# Altium PCB cheriot-test.PcbDoc (part 7 of 12)
Units mil, origin at the board's own origin, x right, y up, seen from the top; angles counter-clockwise.
Board outline 6629.92 x 3149.61 mil, 8 copper layers (Top Layer, Int1 (Sign), Int2 (GND), Int3 (Sign), Int4 (Sign), Int5 (PWR), Int6 (Sign), Bottom Layer), stack 60.424 mil thick; 496 components, 639 nets, 2898 pads, 1737 vias.
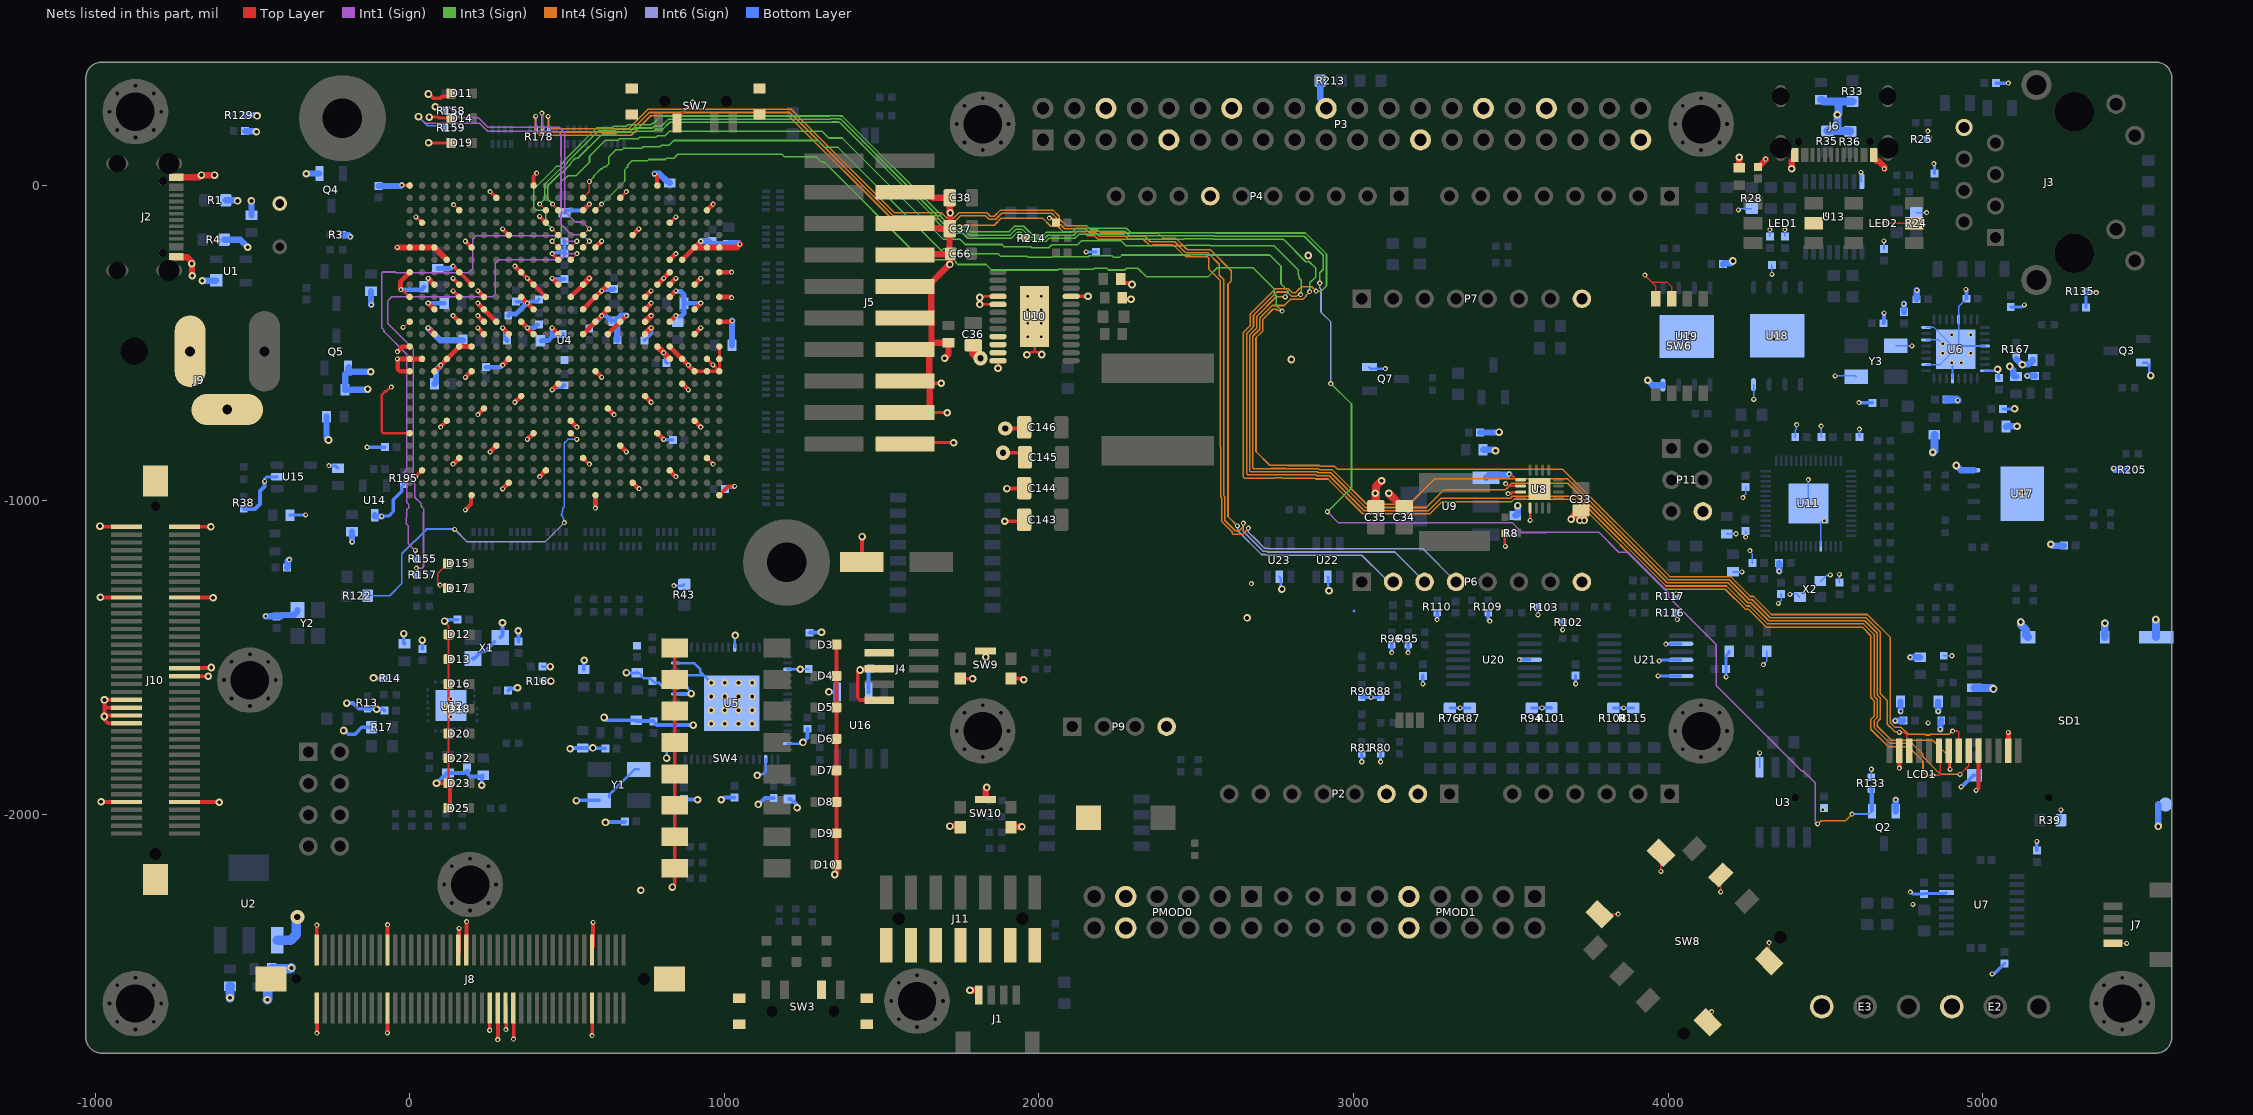
[diagram p13: the nets of this part, all layers, seen from the top]

## Via types
v1: diameter 16, hole 8, Top Layer to Bottom Layer, tented both sides, 1442 vias
v2: diameter 24, hole 12, Top Layer to Bottom Layer, tented both sides, 257 vias
v3: diameter 23.62, hole 11.81, Top Layer to Bottom Layer, tented both sides, 16 vias
v4: diameter 45, hole 20, Top Layer to Bottom Layer, 14 vias
v5: diameter 19.68, hole 8, Top Layer to Bottom Layer, 8 vias

## Nets (pads, with @x,y where several pads share a name; then routed paths per layer and width w, separated by ;. In a path a pad name is that pad's centre, name@x,y a point inside that pad or via, vN(x,y) a via of type N, cw(c..) or ccw(c..) an arc to the next point about the centre after c; other vN are vias at no path point) (continued)
GND: C1.2 C2.2 C3.2 C5.2 C6.2 C7.2 C8.2 C9.2 C10.2 C11.2 C12.2 C13.2 C14.2 C15.2 C16.2 C17.2 C18.2 C19.2 C20.2 C21.2 C22.2 C23.2 C24.2 C25.2 C26.2 C27.2 C28.2 C29.2 C30.2 C31.2 C32.2 C33.2 C34.2 C35.2 C36.2 C37.2 C38.2 C39.2 C40.2 C41.2 C42.2 C43.2 C44.2 C45.2 C46.2 C47.2 C48.2 C50.2 C51.2 C52.2 C53.2 C54.2 C55.2 C56.2 C57.2 C58.2 C59.2 C62.2 C63.1 C64.1 C65.2 C66.2 C68.2 C69.2 C70.2 C71.2 C72.2 C73.2 C74.2 C75.2 C76.2 C77.2 C78.2 C79.2 C80.2 C81.2 C82.2 C83.2 C84.2 C85.2 C86.2 C87.2 C88.2 C89.2 C90.2 C91.2 C92.2 C93.2 C94.2 C95.2 C96.2 C97.2 C99.2 C100.2 C101.2 C102.2 C108.2 C109.2 C110.2 C111.2 C112.2 C113.2 C114.2 C115.2 C116.2 C117.2 C118.2 C119.1 C120.2 C121.2 C122.2 C123.2 C124.2 C125.2 C126.2 C127.2 C128.2 C129.2 C130.2 C131.2 C132.2 C133.2 C134.2 C135.2 C136.2 C137.2 C138.2 C139.2 C141.2 C142.1 C143.2 C144.2 C145.2 C146.2 C147.2 C148.2 C150.2 C151.2 C152.2 C153.2 C154.2 C155.2 C156.2 C157.2 C158.2 C159.2 C160.2 C161.2 D3.K D4.K D5.K D6.K D7.K D8.K D9.K D10.K D11.K D12.K D13.K D14.K D15.K D16.K D17.K D18.K D19.K D20.K D22.K D23.K D25.K E2.A1 E3.A1 J1.1 J2.A1-B12 J2.B1-A12 J3.8 J4.3 J4.5 J4.9 J5.4 J5.6 J5.8 J5.10 J5.12 J5.14 J5.16 J5.18 J5.20 J6.A1-B12 J6.B1-A12 J7.1 J8.9 J8.10 J8.30 J8.32 J8.34 J8.36 J8.41 J8.43 J8.61 J8.62 J8.79 J8.80 J8.MP1 J8.MP2 J9.2 J9.3 J10.9 J10.10 J10.30 J10.32 J10.34 J10.36 J10.41 J10.43 J10.61 J10.62 J10.79 J10.80 J10.MP1 J10.MP2 J11.1 J11.3 J11.5 J11.7 J11.9 J11.11 J11.13 LCD1.2 LCD1.5 LCD1.13 LED1.5 LED2.5 P2.2 P2.3 P3.6 P3.9 P3.14 P3.20 P3.25 P3.30 P3.34 P3.39 P4.7 P6.8 P7.8 P9.4 P11.6 PMOD0.5 PMOD0.11 PMOD1.5 PMOD1.11 Q2.2 Q3.2 Q4.1 Q5.1 Q7.2 R1.2 R3.2 R4.2 R8.2 R13.2 R14.2 R16.2 R17.1 R24.2 R25.2 R28.2 R33.2 R35.1 R36.1 R38.2 R39.2 R43.2 R76.1 R80.2 R81.1 R87.1 R88.2 R90.1 R94.1 R95.2 R96.1 R101.1 R102.2 R103.1 R108.1 R109.2 R110.1 R115.1 R116.2 R117.1 R129.2 R133.2 R135.2 R167.1 R195.1 R205.2 R213.1 R214.2 SD1.6 SD1.10 SD1.11 SD1.12 SD1.13 SD1.14 SW3.3 SW3.5 SW3.6 SW3.7 SW3.8 SW4.1 SW4.2 SW4.3 SW4.4 SW4.5 SW4.6 SW4.7 SW4.8 SW5.1 SW6.7 SW6.8 SW7.3 SW7.5 SW7.6 SW7.7 SW7.8 SW8.5 SW8.MP1 SW8.MP2 SW8.MP3 SW8.MP4 SW9.3 SW9.4 SW9.5 SW10.3 SW10.4 SW10.5 U1.1 U2.1 U3.5 U4.A6 U4.A8 U4.A10 U4.A12 U4.A14 U4.A15 U4.A16 U4.A26 U4.AA6 U4.AA9 U4.AA14 U4.AA16 U4.AA26 U4.AB3 U4.AB8 U4.AB9 U4.AB10 U4.AB12 U4.AB14 U4.AB23 U4.AC7 U4.AC15 U4.AC20 U4.AD6 U4.AD9 U4.AD11 U4.AD13 U4.AD16 U4.AE4 U4.AE6 U4.AE15 U4.AE24 U4.AF1 U4.AF6 U4.AF8 U4.AF10 U4.AF12 U4.AF14 U4.AF15 U4.AF16 U4.AF21 U4.B3 U4.B6 U4.B15 U4.B16 U4.B23 U4.C6 U4.C9 U4.C11 U4.C13 U4.C16 U4.C20 U4.D7 U4.D15 U4.D17 U4.E4 U4.E7 U4.E8 U4.E9 U4.E10 U4.E12 U4.E14 U4.E15 U4.E24 U4.F1 U4.F9 U4.F14 U4.F21 U4.G10 U4.G11 U4.G12 U4.G13 U4.G18 U4.H5 U4.H25 U4.J2 U4.J12 U4.J22 U4.K9 U4.K11 U4.K13 U4.K19 U4.L6 U4.L10 U4.L12 U4.L16 U4.L26 U4.M3 U4.M9 U4.M11 U4.M13 U4.M23 U4.N10 U4.N20 U4.P7 U4.P9 U4.P13 U4.P17 U4.R4 U4.R10 U4.R24 U4.T1 U4.T9 U4.T11 U4.T13 U4.T21 U4.U8 U4.U10 U4.U12 U4.U18 U4.V5 U4.V13 U4.V15 U4.V25 U4.W2 U4.W12 U4.W22 U4.Y10 U4.Y11 U4.Y12 U4.Y13 U4.Y19 U5.1 U5.5 U5.10 U5.11 U5.13 U5.15 U5.25 U5.35 U5.47 U5.51 U5.65 U6.4 U6.8 U6.13 U6.18 U6.22 U6.24 U6.29 U6.33 U7.14 U8.1 U8.2 U8.3 U8.5 U8.17 U9.1 U10.4 U10.5 U10.9 U10.10 U10.11 U10.12 U10.21 U10.25 U11.19 U11.57 U12.25 U13.8 U14.3 U15.2 U16.5 U16.7 U17.4 U17.9 U18.4 U18.9 U19.4 U19.9 U20.11 U21.9 U21.11 U21.13 U22.2 U23.2 X1.2 X1.4 X2.2 X2.4 Y1.2 Y1.4 Y2.2 Y3.2 Y3.4 | length 25341.3
  Top Layer w5: v1(-21.12,-450.96) -19.5,-450.96 -4.07,-435.53 -4.07,-433.07 U4.AF12@0,-433.07 ; 88.74,-1270 88.74,-1233.82 D15.K@121.46,-1201.1 ; v1(97,-1270) 97.27,-1270.27 110.27,-1270.27 D17.K@121,-1281 ; v2@114,-1388 114,-1390.06 123.35,-1399.41 D12.K@123.35,-1424 ; D23.K@123,-1899 123.35,-1898.65 D22.K@123.35,-1820.59 D20.K@123.35,-1741.85 D18.K@123.35,-1663.11 D16.K@123.35,-1584.37 D13.K@123.35,-1505.63 D12.K@123.35,-1426.89 123.35,-1425.65 D12.K@125,-1424 ; SW8.MP1@3782.17,-2316.11 3834.15,-2316.11 v1(3841.11,-2316.11) ; v1(3925.98,-284.92) 3948.05,-306.99 ; SW6.8@3960.98,-359.92 3960.98,-319.92 3948.05,-306.99 ; v1(3977.05,-2180.18) 3977.05,-2173.21 SW8.MP2@3977.05,-2121.24 ; SW6.7@4010.98,-359.92 4010.98,-321.3 3996.67,-306.99 3948.05,-306.99 ; SW8.MP4@4125.98,-2659.92 4125.98,-2637.55 v1(4138.11,-2625.43) ; v1(4167.05,-2244.9) 4167.05,-2237.94 SW8.5@4167.05,-2191.53 ; SW8.MP3@4320.86,-2465.05 v1(4320.86,-2406.12) ; LED1.5@4462.44,-119.92 4472.28,-119.92 4497.18,-95.03 4502.88,-95.03 v1(4504.98,-92.92) ; v1(4689.92,-119.92) LED2.5@4782.44,-119.92 ; LCD1.2@5078.03,-1790.31 LCD1.2@5081.48,-1786.86 ; J7.1@5413.43,-2408.74 v1(5456.94,-2408.74)
  Top Layer w8: v1(-58,-641) -60.16,-641 -73.01,-653.84 -76.84,-653.84 -88,-665 -88,-782.72 -83.31,-787.4 U4.AF21@0,-787.4 ; v1@-30,-335 -19.33,-335 U4.AF10@0,-354.33 ; v1(140,-61) 140,-61.26 U4.AB3@157.48,-78.74 ; SW7.3@849.92,198.66 849.92,214.41 899,263.49 v1(899,265) ; v2(1812,-356) 1815.06,-352.94 1825.11,-352.94 1825.69,-352.36 U10.4@1870.08,-352.36 ; v2(1812,-378) U10.5@1870.06,-377.98 ; v2(1870,-581) 1870,-557.17 U10.12@1870.08,-557.09 ; v2(1962,-538) 1966.33,-538 1975.05,-529.28 1982.52,-529.28 1986.22,-525.58 1986.22,-524.22 ; U10.25@1986.22,-416.34 1986.22,-524.22 ; v2(2009.21,-537.21) 2004.88,-537.21 1997.55,-529.88 1991.88,-529.88 1986.22,-524.22 ; R8.2@3481.3,-1104.92 3481.3,-1145.95 v1(3482.68,-1147.32) ; v1(3483.04,-947.24) 3485.21,-947.24 3493.04,-955.08 U8.2@3530.94,-955.08 ; v1(3491.49,-979.08) 3501.08,-979.08 3505.05,-975.12 3530.59,-975.12 U8.3@3530.94,-974.76 ; v1(3494.49,-917.08) 3496.02,-918.61 3501.37,-918.61 3518.15,-935.39 U8.1@3530.94,-935.39 ; v1(3561.42,-1064.65) v1(3561.42,-1064.65) U8.5@3561.46,-1024.96
  Top Layer w10: v1(-25.08,1) -24.58,0.5 -0.5,0.5 U4.AF1@0,0 ; v1(20,-100) 21.26,-100 U4.AE4@39.37,-118.11 ; v2(60,136) 60.4,135.6 131.69,135.6 D19.K@132.09,135.2 ; v2(62,217.5) 90.47,217.5 94,213.97 D14.K@132.06,213.97 ; U4.J2@669.29,-39.37 v1(688.98,-19.69) ; U4.E4@826.77,-118.11 827.89,-118.11 v1(846,-100) ; U4.C16@911,-593 913.45,-590.55 U4.B16@944.88,-590.55 U4.A16@983,-590.55 ; U4.B23@944.88,-866.14 v1(964.57,-885.83) ; U4.B15@944.88,-551.18 963.7,-570 v1(964,-570) 964,-570.15 981.85,-588 U4.A16@983,-588 ; U4.A16@984.25,-585.75 U4.A15@984.25,-551.18 U4.A14@984.25,-511.81 ; J5.20@1574.8,-821.26 1578.71,-817.36 v2(1728.64,-817.36) ; J5.18@1574.8,-721.26 1639.38,-721.26 1708.26,-721.26 v2(1709,-722) ; J5.16@1574.8,-621.26 1582.16,-628.62 1653,-628.62 v2(1689.58,-628.62) ; v1(1937,-165) 1955.63,-165 R214.2@1957.76,-167.13 ; v1(2033.49,-103.51) 2034.64,-104.66 2041.55,-104.66 C148.2@2054.02,-117.13
  Top Layer w12: v2(-984.25,-1082.68) -982.32,-1084.61 J10.80@-900.39,-1084.61 ; v2@-982.65,-1309.35 J10.62@-892.65,-1309.35 ; v2@-980.65,-1959.35 J10.10@-890.65,-1959.35 ; v2@-975,-1640 v2@-970,-1645 ; v2@-970,-1677.46 v2@-970,-1645 ; v2(-970,-1635) v2@-970,-1645 ; v2@-969.65,-1634.65 J10.36@-900.39,-1634.65 ; J10.30@-901.09,-1708.95 -959.24,-1708.95 -970.58,-1697.6 v2(-970.58,-1687.81) -968.28,-1685.51 -965.04,-1685.51 -964.28,-1684.76 -900.5,-1684.76 J10.32@-900.39,-1684.65 ; J10.34@-900.39,-1659.65 -962.62,-1659.65 -969.65,-1652.62 -969.65,-1645.35 v2@-970,-1645 ; J10.9@-715.35,-1959.65 -715,-1960 -714.82,-1959.82 -605.18,-1959.82 v2(-605,-1960) ; J10.41@-715.35,-1559.65 -640.35,-1559.65 v2(-640,-1560) ; J10.43@-715.35,-1534.65 -714.46,-1533.76 -632.76,-1533.76 v2(-631,-1532) ; J10.61@-715.35,-1309.65 -625.35,-1309.65 v2(-625,-1310) ; J10.79@-715.35,-1084.61 v2(-631.85,-1084.61) ; J8.79@-295.65,-2428.35 v1@-295.65,-2351.65 ; v1@-294.35,-2693.35 J8.80@-294.35,-2616.65 ; J8.61@-70.65,-2426.35 v1@-70.65,-2349.65 ; v1@-70.35,-2692.35 J8.62@-70.35,-2615.65 ; v1(18.06,-926) 18.47,-926 36.84,-907.63 39.37,-907.63 U4.AE24@39.37,-905.51 ; v2(59.49,290.83) 62.74,290.83 76.56,277 96.53,277 102.46,282.93 122.34,282.93 D11.K@132.09,292.68 ; v2(85.32,-1900) 85.65,-1899.67 D23.K@117.67,-1899.67 ; v1(98.43,-767.72) U4.AC20@118.11,-748.03 ; D25.K@122.54,-1979 124.28,-1980.75 D25.K@124.28,-1990.06 ; D25.K@128,-1979 D23.K@128,-1914 ; v1(137.8,-334.65) U4.AB10@157.48,-354.33 ; v1(137.8,-295.28) U4.AB9@157.48,-314.96 ; v1(137.8,-255.91) U4.AB8@157.48,-275.59 ; J8.43@156.35,-2438.35 v1@156.35,-2361.65 ; U4.AB8@158.69,-277 158.89,-277 U4.AA9@196.85,-314.96 ; v1(177,-1031) 195.31,-1012.69 195.31,-985.79 U4.AA26@196.85,-984.25 ; v1(177.17,-177.17) U4.AA6@196.85,-196.85 ; J8.41@180.35,-2417.35 v1@180.35,-2340.65 ; v1@216.54,-728.35 v1(216.88,-728) ; v1@217,-728 v1(216.88,-728) ; U4.Y19@236.22,-708.66 v1(216.88,-728) ; v1@254.65,-2684.35 J8.36@254.65,-2607.65 ; v1(255.91,-19.69) U4.W2@275.59,-39.37 ; v1@280.65,-2714.35 J8.34@280.65,-2637.65 ; v1(295.28,-137.8) U4.V5@314.96,-157.48 ; v1@306.65,-2682.35 J8.32@306.65,-2605.65 ; v1@330.65,-2712.35 J8.30@330.65,-2635.65 ; U4.U8@354.33,-275.59 v1(374.02,-295.28) U4.T9@393.7,-314.96 U4.R10@433.07,-354.33 ; U4.T1@393.7,0 393.7,29.53 v1(403.54,39.37) ; v1(413.39,-98.43) U4.R4@433.07,-118.11 ; v1(452.5,-216.54) 452.63,-216.54 472.31,-236.22 U4.P7@472.44,-236.22 ; U4.M23@551.18,-866.14 v1(570.87,-885.83) ; v1@580.65,-2701.35 J8.10@580.65,-2624.65 ; J8.9@582.35,-2419.35 v1@582.35,-2342.65 ; v1(778.17,37.24) 778.17,36.15 785.9,28.43 785.9,1.51 U4.F1@787.4,0 ; v2(835,-2230) 842.4,-2222.6 SW4.8@842.4,-2170 SW4.7@842.4,-2070 SW4.6@842.4,-1970 SW4.5@842.4,-1870 SW4.4@842.4,-1770 SW4.3@842.4,-1670 SW4.2@842.4,-1570 SW4.1@842.4,-1470 ; U4.A26@984.25,-984.25 1011.61,-956.9 1032.08,-956.9 v1(1032.84,-956.13) ; D3.K@1356.34,-1458.94 D4.K@1356.34,-1558.94 D5.K@1356.34,-1658.94 D6.K@1356.34,-1758.94 D7.K@1356.34,-1858.94 D8.K@1356.34,-1958.94 D9.K@1356.34,-2058.94 D10.K@1356.34,-2158.94 1356.34,-2176.34 1360,-2180 ; C68.2@1436.89,-1197.13 1438,-1196.02 v2(1438,-1116) ; J4.9@1492.13,-1635.43 1431.03,-1635.43 1424,-1628.4 1424,-1545.99 1429.99,-1540 v2(1431.62,-1540) 1433.9,-1537.72 1489.84,-1537.72 J4.5@1492.13,-1535.43 ; SW9.3@1750,-1566.93 1751.07,-1568 v2(1789,-1568) ; SW9.5@1830.71,-1479.33 1831,-1479.62 v2(1831,-1499) ; v4(1885.57,-849.57) 1941.15,-849.57 C145.2@1955.55,-863.98 ; v2(1891.13,-1067.13) 1948.07,-1067.13 C143.2@1953.07,-1062.13 ; v4(1893,-772.5) 1949.35,-772.5 C146.2@1953.07,-768.78 ; v2(1898.41,-963.41) 1951.79,-963.41 C144.2@1953.07,-962.13 ; SW9.4@1911.42,-1566.93 1947.93,-1566.93 v2(1952,-1571) ; U10.21@2102.36,-352.36 2102.54,-352.18 2155.82,-352.18 v2(2156,-352) ; C150.2@2259.69,-297.13 2259.69,-301.06 2268.45,-309.83 2287.72,-309.83 2292.56,-314.67 v2(2295.81,-314.67) ; C151.2@2264.69,-357.13 2269.02,-361.46 v2(2292.65,-361.46) ; v1(4978.74,-1922.91) 4986.62,-1915.04 LCD1.5@4986.62,-1796.93
  Top Layer w15: v1(-39.37,-528) -24.3,-512.93 -1.12,-512.93 U4.AF14@0,-511.81 ; v1@-29,-329 -29,-304.59 U4.AF8@0,-275.59 ; U4.AF16@0,-590.55 -30.58,-590.55 -37.65,-583.49 -37.65,-552.9 v1(-39.37,-551.18) U4.AF15@0,-551.18 U4.AE15@39.37,-551.18 ; v1(59.06,-452.76) U4.AD13@78.74,-472.44 ; v1(59.06,-374.02) U4.AD11@78.74,-393.7 ; v1(59.06,-295.28) U4.AD9@78.74,-314.96 ; U4.AD16@78.74,-590.55 v1(98.43,-570.87) U4.AB14@157.48,-511.81 U4.AA14@196.85,-511.81 ; v1(137.8,-885.83) U4.AB23@157.48,-866.14 ; v1(137.8,-413.39) U4.AB12@157.48,-433.07 ; v1(177.17,-610.24) U4.AA16@196.85,-590.55 ; v1(216.54,-452.76) U4.Y13@236.22,-472.44 ; v1(216.54,-413.39) U4.Y12@236.22,-433.07 ; v1(216.54,-374.02) U4.Y11@236.22,-393.7 U4.W12@275.59,-433.07 ; v1(216.54,-334.65) U4.Y10@236.22,-354.33 ; v1(255.91,-846.46) U4.W22@275.59,-826.77 ; v1(295.28,-964.57) U4.V25@314.96,-944.88 ; v1(295.28,-570.87) U4.V15@314.96,-551.18 ; v1(295.28,-452.76) U4.V13@314.96,-472.44 ; v1(334.65,-688.98) U4.U18@354.33,-669.29 ; v1(334.65,-255.91) U4.U8@354.33,-275.59 ; U4.U12@354.33,-433.07 v1(374.02,-452.76) U4.T13@393.7,-472.44 ; U4.U10@354.33,-354.33 v1(374.02,-374.02) U4.T11@393.7,-393.7 ; v1(374.02,-807.09) U4.T21@393.7,-787.4 ; v1(413.39,-925.2) U4.R24@433.07,-905.51 ; v1(452.5,-452.76) 452.63,-452.76 472.31,-472.44 U4.P13@472.44,-472.44 ; v1(452.5,-295.28) 452.63,-295.28 472.31,-314.96 U4.P9@472.44,-314.96 ; v1(452.76,-649.61) U4.P17@472.44,-629.92 ; U4.N20@511.81,-748.03 v1(531.5,-767.72) 531,-768.21 v1@531,-769 ; U4.N10@511.81,-354.33 U4.M9@551.18,-314.96 ; U4.M13@551.18,-472.44 U4.L12@590.55,-433.07 v1(610.24,-413.39) U4.K11@629.92,-393.7 ; U4.M11@551.18,-393.7 U4.L10@590.55,-354.33 v1(610.24,-334.65) U4.K9@629.92,-314.96 ; U4.M3@551.18,-78.74 v1(570.87,-59.06) ; v1(590.39,-1025.54) 590.47,-1025.46 590.47,-984.33 U4.L26@590.55,-984.25 ; U4.L16@590.55,-590.55 v1(610.24,-610.24) ; U4.L6@590.55,-196.85 v1(610.24,-177.17) ; U4.K19@629.92,-708.66 v1(649.61,-728.35) ; U4.K13@629.92,-472.44 v1(688.98,-413.39) ; U4.J22@669.29,-826.77 v1(688.98,-846.46) ; U4.H25@708.66,-944.88 726.69,-962.91 728.88,-962.91 v1(729.07,-963.1) ; U4.H5@708.66,-157.48 v1(728.35,-137.8) ; U4.G18@748.03,-669.29 v1(767.72,-688.98) ; U4.G11@748.03,-393.7 v1(767.72,-374.02) ; U4.G10@748.03,-354.33 v1(767.72,-334.65) ; U4.F21@787.4,-787.4 v1(807.09,-807.09) ; U4.F9@787.4,-314.96 v1(807.09,-295.28) U4.E8@826.77,-275.59 ; U4.E24@826.77,-905.51 v1(846.46,-925.2) ; U4.E14@826.77,-511.81 v1(885.83,-570.87) U4.C16@905.51,-590.55 ; U4.E12@826.77,-433.07 v1(846.46,-413.39) ; U4.E10@826.77,-354.33 v1(846.46,-334.65) ; U4.E9@826.77,-314.96 v1(846.46,-295.28) ; U4.E7@826.77,-236.22 v1(846.46,-216.54) ; U4.D17@866.14,-629.92 v1(885.83,-649.61) ; U4.D7@866.14,-236.22 U4.C6@905.51,-196.85 ; U4.C20@905.51,-748.03 v1(925.2,-767.72) ; U4.C13@905.51,-472.44 v1(925.2,-452.76) ; U4.C11@905.51,-393.7 v1(925.2,-374.02) ; U4.C9@905.51,-314.96 v1(925.2,-295.28) ; U4.C6@908.18,-194.18 v1(925.2,-177.17) ; U4.B3@944.88,-78.74 v1(964.57,-59.06) ; U4.A12@984.25,-433.07 1021.66,-433.07 1024.73,-430 v1(1025,-430) ; U4.A10@984.25,-354.33 1021.12,-354.33 1023.35,-356.57 v1(1023.62,-356.57) ; U4.A8@984.25,-275.59 v1(1023.62,-275.59) ; v1(4734.65,-1852.05) LCD1.13@4734.65,-1793.38 ; LCD1.2@5081.48,-1786.86 v1(5081.48,-1737.94)
  Top Layer w20: J2.B1-A12@-742.13,-226.06 -740.32,-227.87 -707.05,-227.87 -692.92,-242 v2(-692.92,-248.08) -692.16,-248.84 -692.16,-285.84 v2(-691,-287) ; J2.A1-B12@-742.13,25.91 -669.09,25.91 v2(-662,33) v2(-620,33) ; v1(-39.37,-196.85) U4.AF6@0,-196.85 U4.AE6@39.37,-196.85 U4.AD6@78.74,-196.85 U4.AC7@118.11,-236.22 ; U4.M9@551.18,-314.96 v1(570.87,-295.28) ; U4.G13@748.03,-472.44 v1(767.72,-452.76) ; U4.G12@748.03,-433.07 v1(767.72,-413.39) ; U4.F14@787.4,-511.81 v1(807.09,-531.5) U4.E15@826.77,-551.18 ; U4.C6@911,-197 984.1,-197 U4.A6@984.25,-196.85 1039.15,-196.85 v1(1049,-187) ; J5.16@1574.8,-621.26 1637.55,-621.26 J5.16@1645.4,-613.4 ; J5.12@1574.8,-421.26 1644.38,-421.26 1658,-407.64 J5.10@1658,-336 ; J5.10@1574.8,-321.26 1644.69,-321.26 1714.18,-251.77 1715.23,-251.77 1717,-250 C66.2@1717,-218.04 ; J5.6@1608,-130 1612.88,-134.88 1679.88,-134.88 1683,-138 C37.2@1716.33,-138 ; J5.8@1620,-222 1623.1,-218.9 C66.2@1716,-218.9 ; J5.4@1623,-24 1647.43,-24 1662.8,-39.37 C38.2@1716.54,-39.37 1716.54,-85.54 v2(1718,-87) 1717.27,-87.73 C37.2@1717.27,-137.73 ; J5.18@1639.38,-721.26 1653,-707.64 1653,-628.62 J5.16@1653,-621 ; J5.16@1651.17,-607.64 1651.17,-532.83 J5.14@1656,-528 ; J5.14@1658.31,-502 1658.31,-436.69 J5.12@1660,-435 ; J5.14@1663,-502 1665,-500 C147.2@1712.6,-500 1712.6,-536.4 v2(1700,-549) ; C66.2@1716,-227 C66.2@1716,-218.9 ; C37.2@1716.54,-137.8 C37.2@1716.33,-138 ; v2(1717,-2036) 1746.63,-2036 SW10.3@1750,-2039.37 ; C66.2@1718.5,-216.54 C66.2@1717,-218.04 ; v2(1781,-2558) 1807.64,-2558 1809.45,-2559.81 J1.1@1809.45,-2572.52 ; SW10.5@1830.71,-1951.77 1830.71,-1916.29 v2(1834,-1913) ; SW10.4@1911.42,-2039.37 1912.79,-2038 v2(1946,-2038) ; v2(3691.34,-1060.71) 3691.34,-1056.77 3714.96,-1033.15 C33.2@3722.83,-1033.15 ; v2(3718.9,-1064.65) 3718.9,-1037.09 C33.2@3722.83,-1033.15 ; v2(3733.5,-1064.65) 3733.34,-1064.48 3733.34,-1042.83 3740.39,-1042.83 3730.71,-1033.15 C33.2@3722.83,-1033.15 ; C50.2@4225.98,56.28 v2(4225.98,89.68) ; C51.2@4285.98,58.19 4310,82.2 v1(4310,83.79) ; v2(4392.13,53.46) 4392.89,54.23 4392.89,76.87 4400.16,84.13 4400.16,94.96 J6.B1-A12@4401.97,96.77 ; J6.A1-B12@4653.94,96.77 4653.94,85.94 4662.23,77.65 4669.08,77.65 4687.4,59.33 v1(4687.4,53.46) ; C66.2@1716,-218.9 1716,-138.33 C37.2@1716.33,-138 ; C66.2@1716,-218.9 1716.14,-218.9 C66.2@1717,-218.04
  Top Layer w25: v2(3069.29,-978.03) 3069.29,-1017.8 C35.2@3070.98,-1019.49 3070.98,-956.65 v2(3088.98,-938.66) ; v2(3112.6,-978.03) 3112.6,-978.98 3153.11,-1019.49 C34.2@3160.98,-1019.49
  Top Layer w30: C36.2@1791.34,-507.87 1792,-508.54 1792,-531.43 1792.37,-531.43 1809.94,-549 v4(1814,-549)
  Bottom Layer w5: U12.25@126.42,-1691 U12.25@129.71,-1687.71 ; v1(130,-1688) U12.25@129.71,-1687.71 ; v1(131,-1632) 131.77,-1632.77 U12.25@131.77,-1685.65 ; U12.25@131.98,-1685.44 U12.25@129.71,-1687.71 ; v2@1242,-1536 1243.5,-1537.5 1267.93,-1537.5 C135.2@1268.54,-1536.89 ; U19.9@4058.51,-479.92 4067.08,-479.92 v1(4068.5,-478.5) ; C82.2@4185.98,-1107.48 4186.59,-1106.87 v1(4215.61,-1106.87) ; C81.2@4205.98,-1227.48 4206.93,-1228.42 v1(4234.12,-1228.42) ; v1(4223.49,-77.33) 4226.46,-77.33 4230.41,-73.39 R28.2@4265.98,-73.39 ; v1(4237.35,-992.27) 4237.35,-989.29 4245.98,-980.65 C86.2@4245.98,-958.03 ; v1(4245.98,-1117.66) C89.2@4245.98,-1098.03 ; v1(4259.66,-1160.42) 4259.66,-1163.4 4267.87,-1171.61 4267.87,-1181.29 C87.2@4267.87,-1199.92 ; U18.4@4270.98,-632.66 4271.48,-633.16 4271.48,-679.42 v1(4271.98,-679.92) ; U3.5@4290.58,-1848.7 v1(4290.58,-1803.22) ; v1(4302.63,-1522.63) 4302.63,-1522.53 4313.54,-1511.62 C100.2@4313.54,-1480.02 ; C55.2@4323.12,-161.81 4323.12,-143.18 v1(4323.12,-140.42) ; v1(4329.76,-282.42) 4329.76,-271.71 C83.2@4329.76,-253.08 ; v1(4337.5,-488.5) 4337.5,-486.6 U18.9@4345.98,-478.11 ; v1(4350.46,-1327.98) 4350.46,-1327.55 4359.88,-1318.13 4359.88,-1299.76 C93.2@4358.15,-1298.03 ; C54.2@4371.07,-161.81 4371.07,-143.18 v1(4371.07,-140.42) ; v1(4386.91,-1299.42) 4388.36,-1297.98 4393.88,-1297.98 4408.14,-1297.98 X2.2@4418.62,-1308.46 ; C90.2@4403.83,-799.92 4400.98,-797.07 4404.48,-793.57 4404.48,-777.98 4406.98,-775.48 4406.98,-760.96 v1(4407.96,-759.98) ; v1(4445.81,-934.56) 4445.81,-1010.39 U11.57@4445.98,-1010.56 ; X2.4@4483.58,-1257.28 4486.53,-1257.28 4504.28,-1239.53 4513.17,-1239.53 v1(4515.28,-1237.42) ; U11.19@4485.35,-1146.38 4485.35,-1071.05 4491.48,-1064.92 v1(4495.98,-1064.92) ; v1(4485.98,-764.92) 4485.98,-798.03 C84.2@4487.87,-799.92 ; v1(4491.84,-1983.63) 4491.84,-1982.17 C65.2@4495.98,-1978.03 ; v1(4530.98,-604.92) 4594.89,-604.92 Y3.2@4597.95,-607.99 ; C92.2@4544.04,-1261.81 v1(4544.04,-1236.21) ; R33.2@4585.98,266.61 R33.2@4588.5,264.09 ; C88.2@4608.04,-799.92 4608.04,-781.29 v1(4608.04,-774.32) ; v1(4612.85,41.71) 4614.2,40.35 4614.2,13.64 U13.8@4615.55,12.28 ; R133.2@4645.98,-1880.24 v1(4645.98,-1855.43) ; C53.2@4685.98,-201.81 v1(4685.98,-176.21) ; Y3.4@4723.94,-509.56 4767.37,-509.56 v1(4774.34,-509.56) ; R24.2@4789.05,-86.46 4814.77,-86.46 v1(4821.74,-86.46) ; U6.18@4820.03,-569.13 4864.33,-569.13 U6.33@4913.54,-519.92 ; U6.22@4820.03,-490.39 4859.21,-490.39 v1(4872.44,-503.62) ; U6.24@4820.03,-451.02 4844.64,-451.02 U6.33@4913.54,-519.92 ; R25.2@4825.67,147.76 4825.67,165.61 v1(4825.67,172.57) ; C122.2@4875.98,-1494.66 v1(4901.58,-1494.63) ; U6.33@4900.98,-569.92 4903.7,-572.64 U6.13@4903.7,-613.43 ; C131.2@4947.87,-359.92 4923.38,-384.41 U6.29@4923.38,-426.41 U6.33@4923.38,-510.08 ; U6.4@5007.05,-510.08 U6.33@4923.38,-510.08 ; R39.2@5248.43,-2017.4 5248.43,-1991.68 v1(5248.42,-1984.72) ; 5387.6,-1409.61 v2@5387.6,-1402.64 ; U6.33@4913.54,-519.92 U6.33@4923.38,-510.08
  Bottom Layer w8: C48.2@421.59,-1528.53 423.06,-1530 446,-1530 v2(447,-1529) ; R16.2@424.69,-1575 v2(449,-1575) ; Y1.2@635,-1945 635,-1935 714.21,-1855.79 Y1.4@727.99,-1855.79 ; C70.2@730,-1550.87 745.22,-1566.09 763.88,-1566.09 C71.2@772.48,-1574.69 ; C71.2@775,-1578 778,-1581 793,-1581 808.65,-1596.65 U5.11@845.35,-1596.65 884.35,-1596.65 884.35,-1600.02 892,-1607.67 v2@892,-1613 ; v2(816.5,-1820) 816.81,-1819.69 816.81,-1798.19 821.5,-1793.5 U5.1@845.35,-1793.5 ; v1(840,-1272) 868.54,-1272 R43.2@873,-1267.54 ; U5.13@845.35,-1557.28 934.92,-1557.28 ; U5.15@845.35,-1517.91 903.91,-1517.91 923.96,-1537.96 923.96,-1546.32 934.92,-1557.28 ; U5.65@957,-1575 952.64,-1575 934.92,-1557.28 ; U5.25@1033.35,-1467.72 1033.35,-1431.65 v2(1035,-1430) ; v2(1105,-1875) 1108.06,-1871.94 1122.01,-1871.94 1131.77,-1862.17 U5.51@1131.77,-1824.02 ; U5.47@1201.65,-1773.82 1246.18,-1773.82 v2(1250,-1770) ; U5.35@1201.65,-1537.6 1201.7,-1537.55 1241.07,-1537.55 v2(1241.12,-1537.5) ; U23.2@2763.89,-1244 2769.3,-1249.41 2769.3,-1279.58 v2(2772.36,-1282.64) ; U22.2@2918.49,-1244 2920.25,-1245.76 2920.25,-1286.25 v2(2922,-1288) ; Q7.2@3050.64,-577.6 3055.28,-582.24 v1(3101.47,-582.24) ; U6.8@5007.05,-588.82 5037.86,-588.82 5042.68,-583.99 v2(5047.01,-583.99) ; Q3.2@5510.24,-562.68 5521.06,-562.68 5529.86,-571.47 5529.86,-600.02 v2(5533.86,-604.02)